# Altium PCB RFFE_Controller.PcbDoc (part 1 of 2)
Units mm, origin at the board's own origin, x right, y up, seen from the top; angles counter-clockwise.
Board outline 87 x 105 mm, 4 copper layers (Top Layer, MidLayer1, MidLayer2, Bottom Layer), stack 1.192 mm thick; 81 components, 80 nets, 362 pads, 1668 vias.
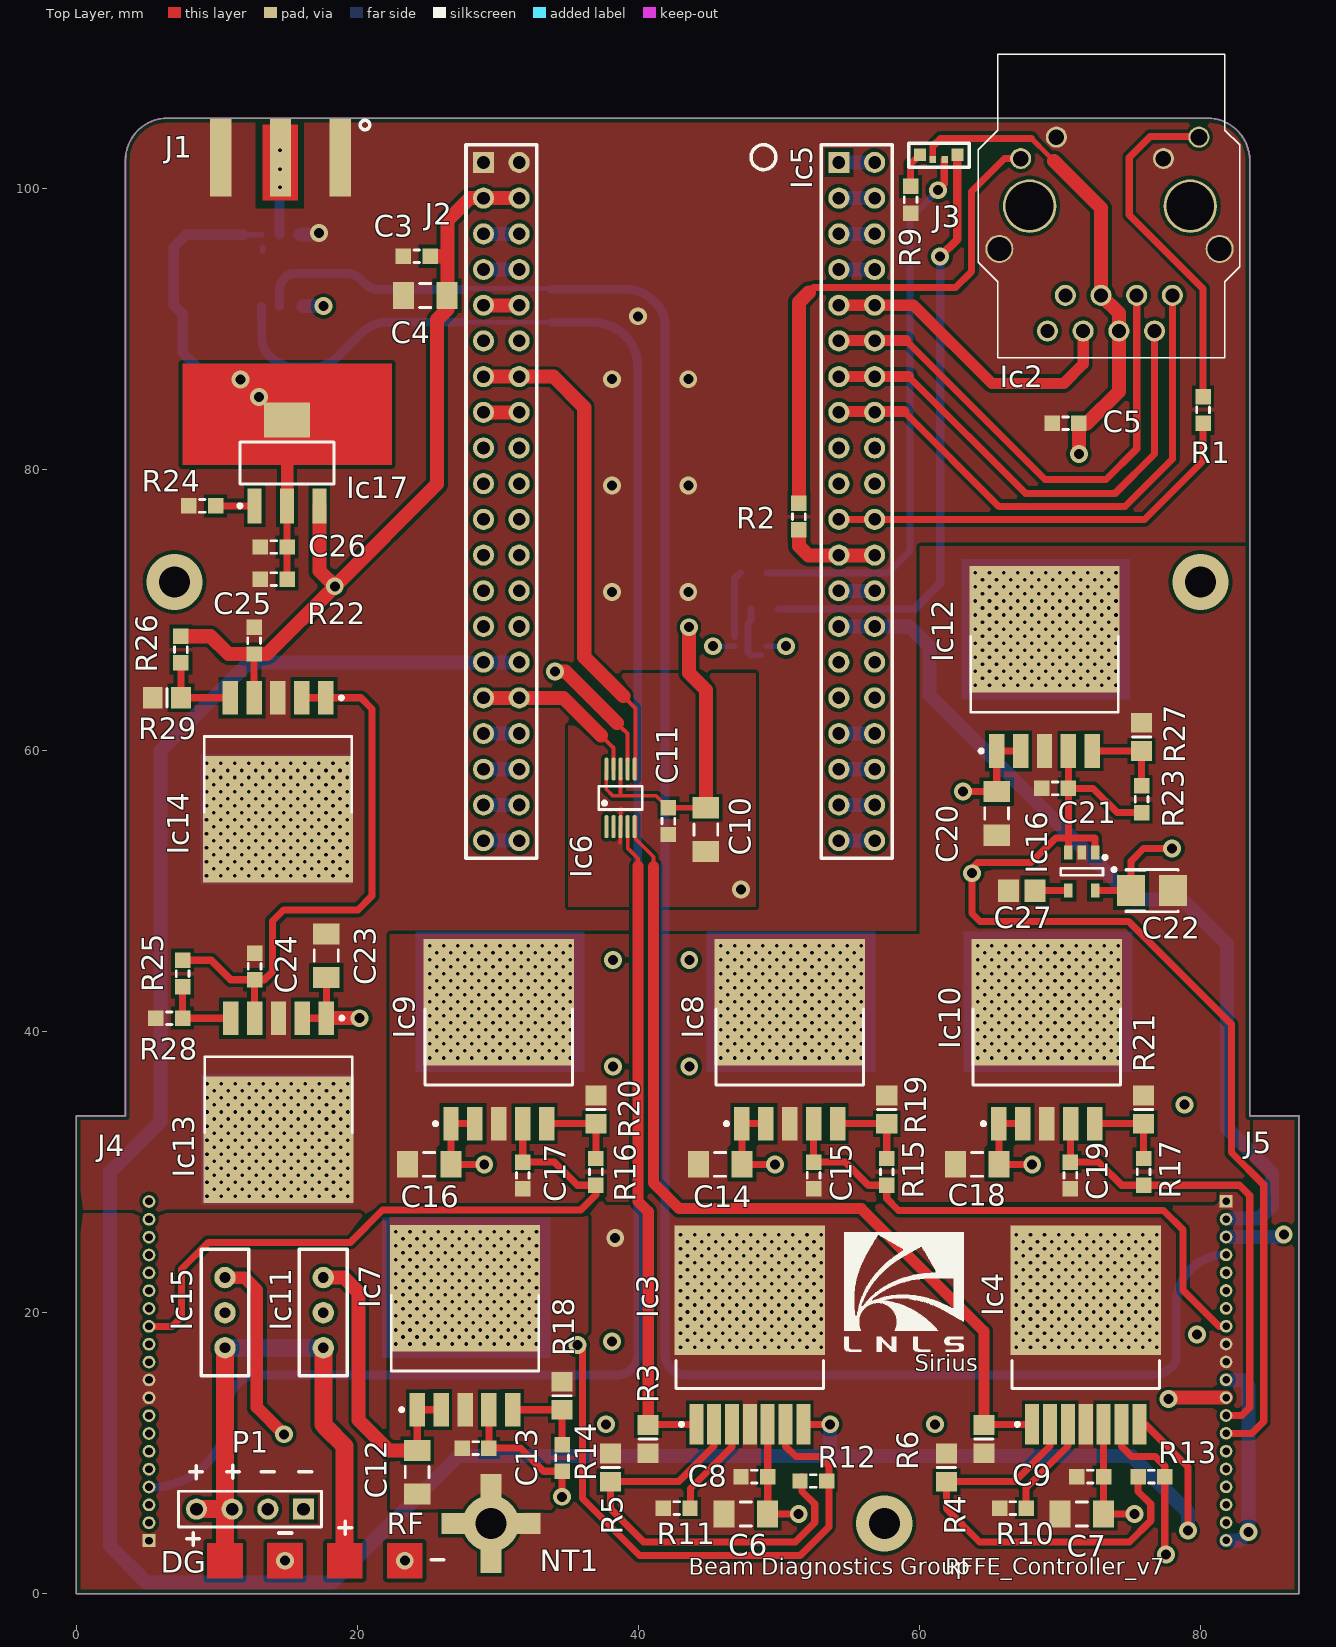
[diagram p0: Top Layer view]
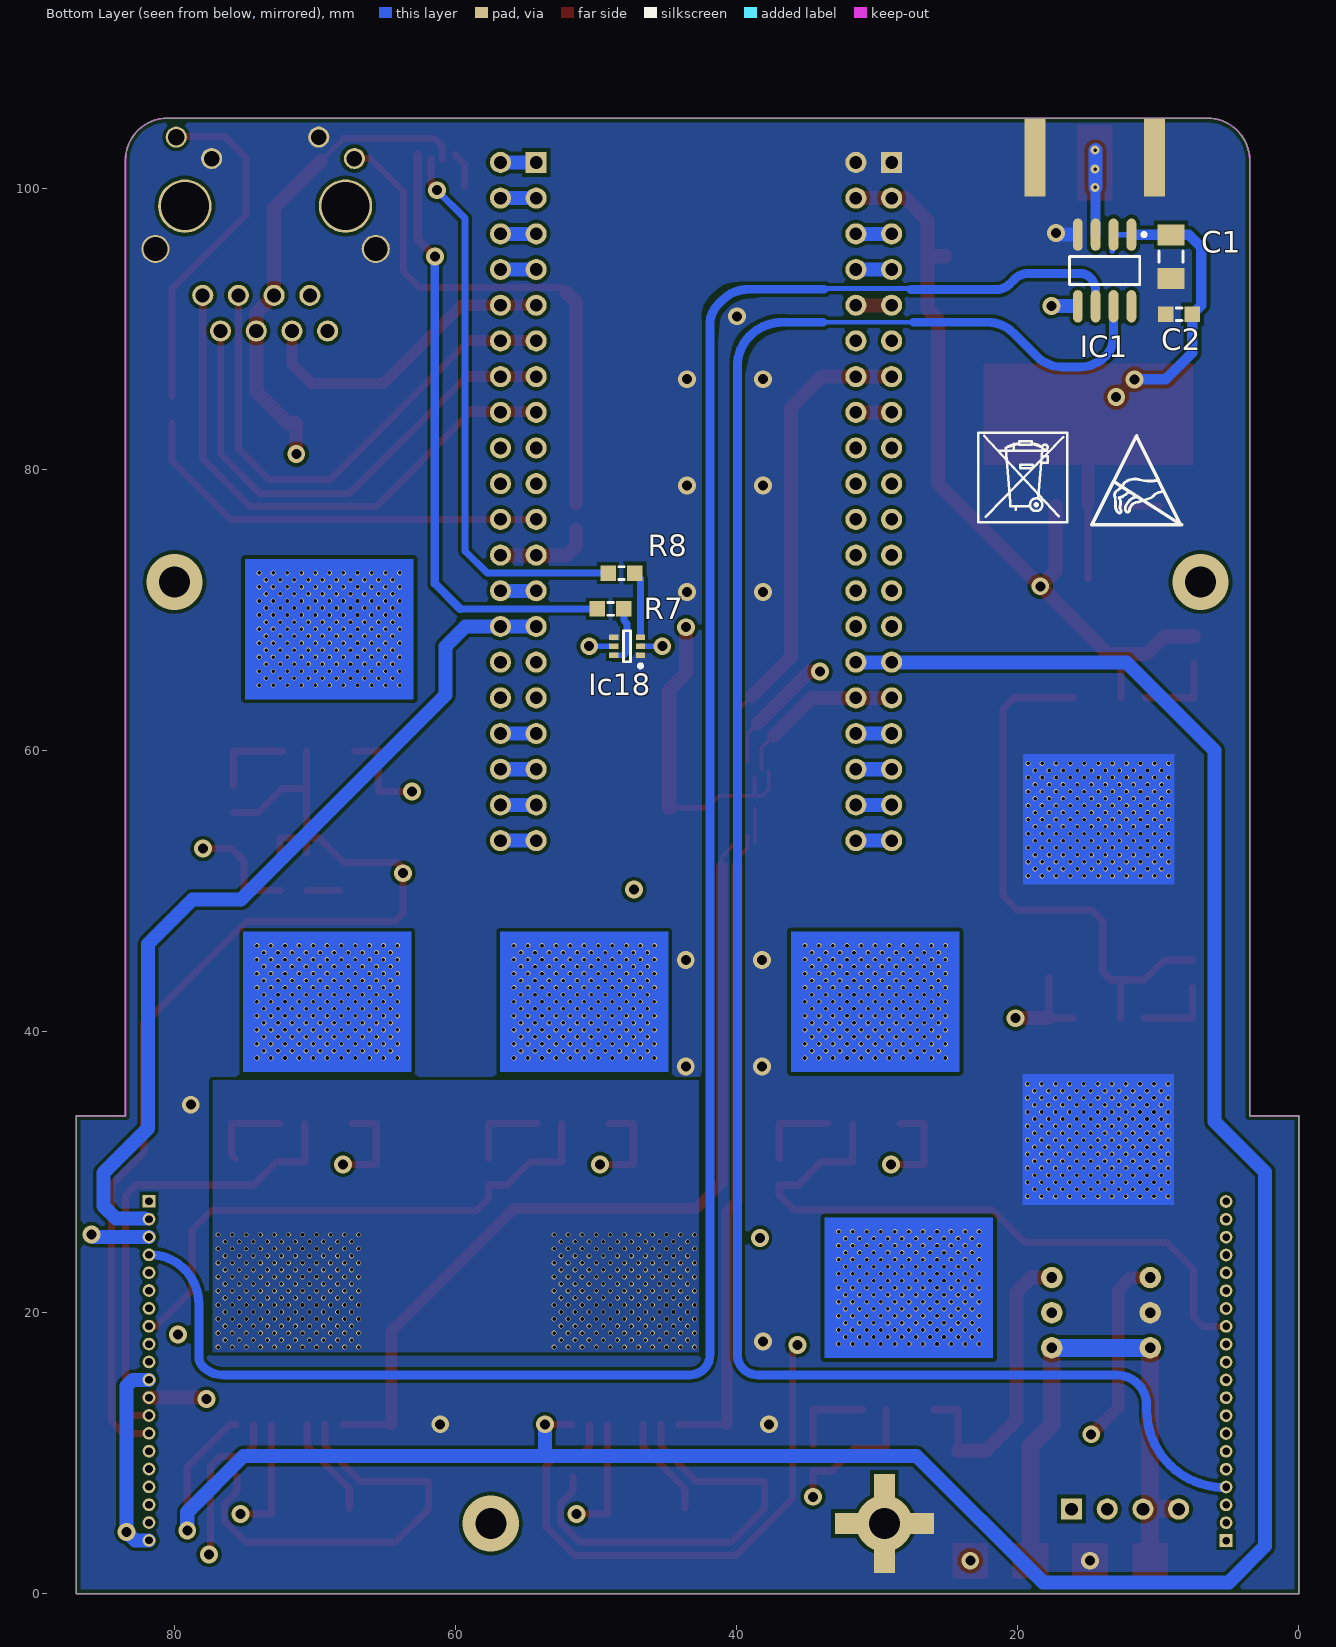
[diagram p1: Bottom Layer view, seen from below]
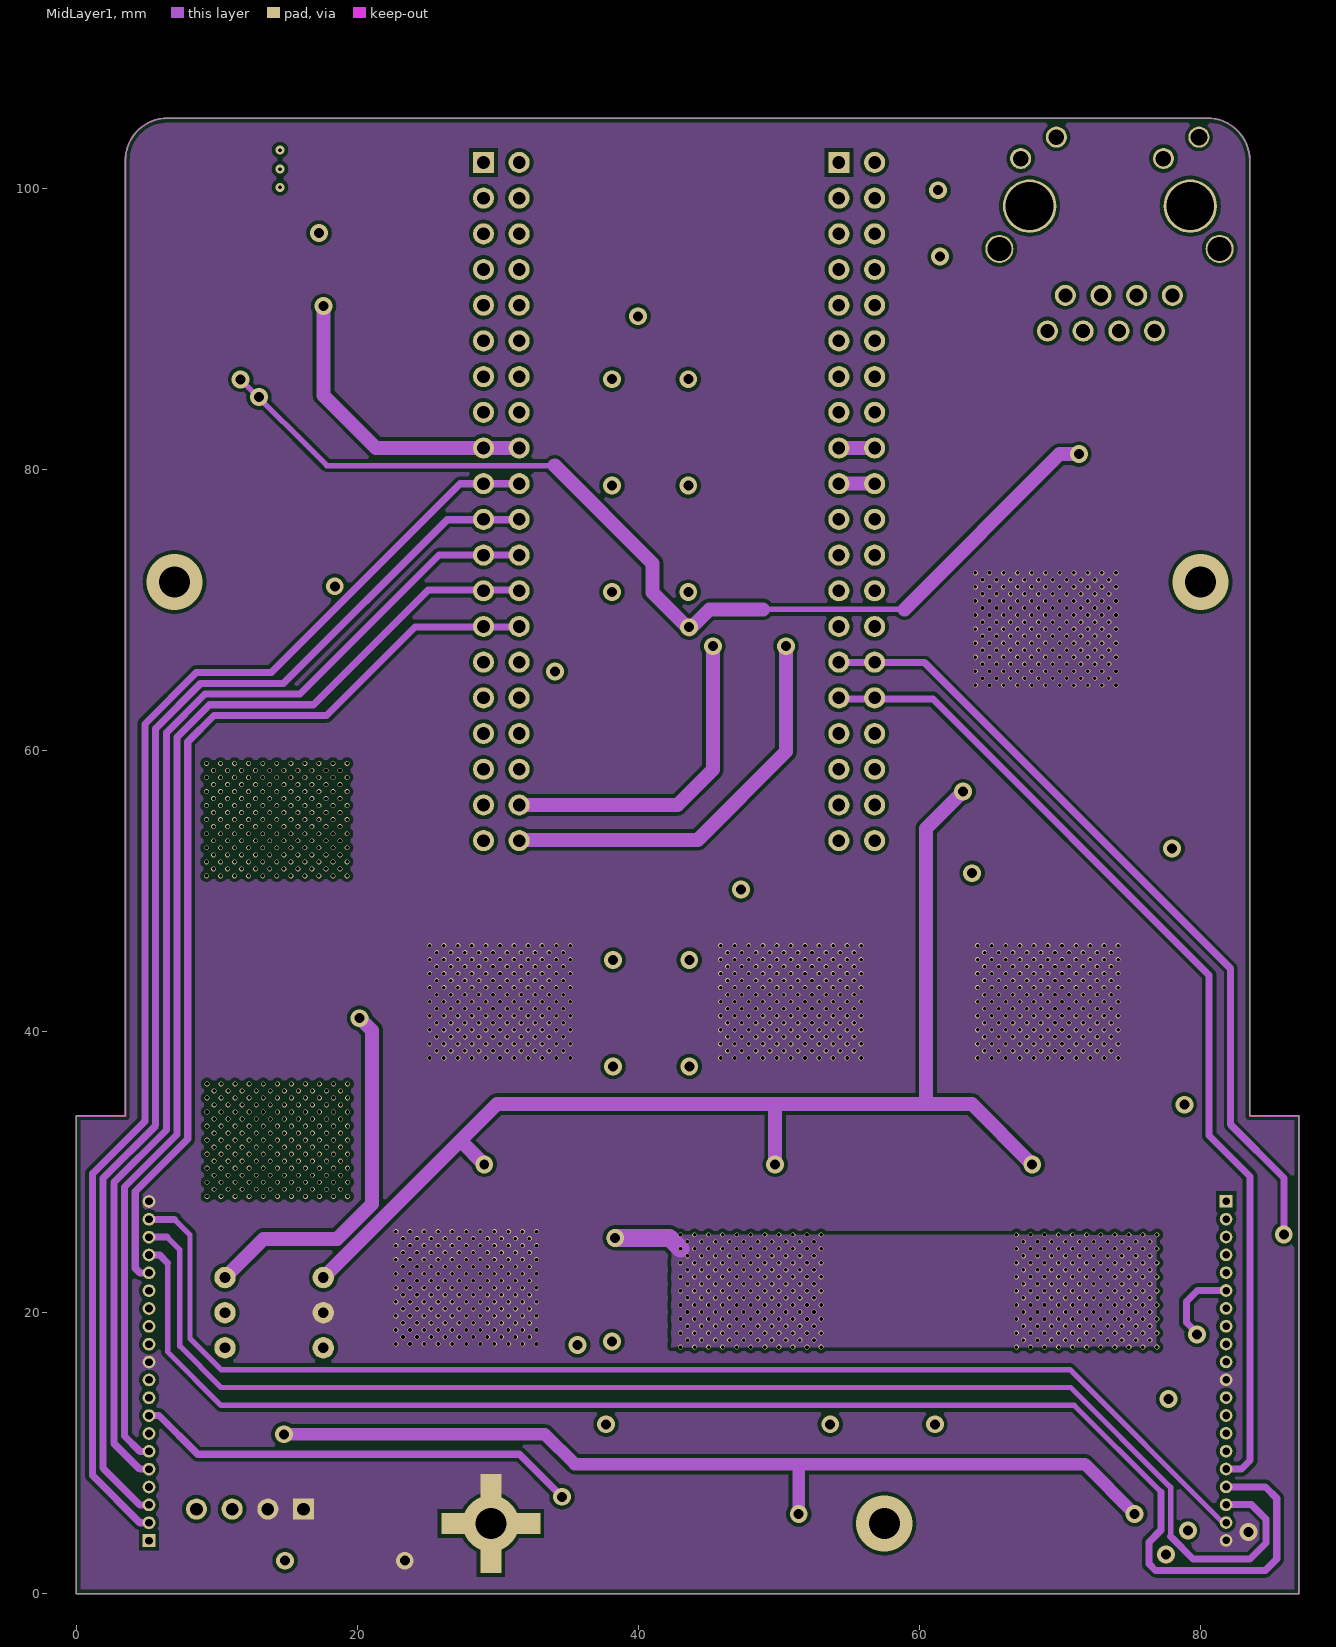
[diagram p2: MidLayer1]
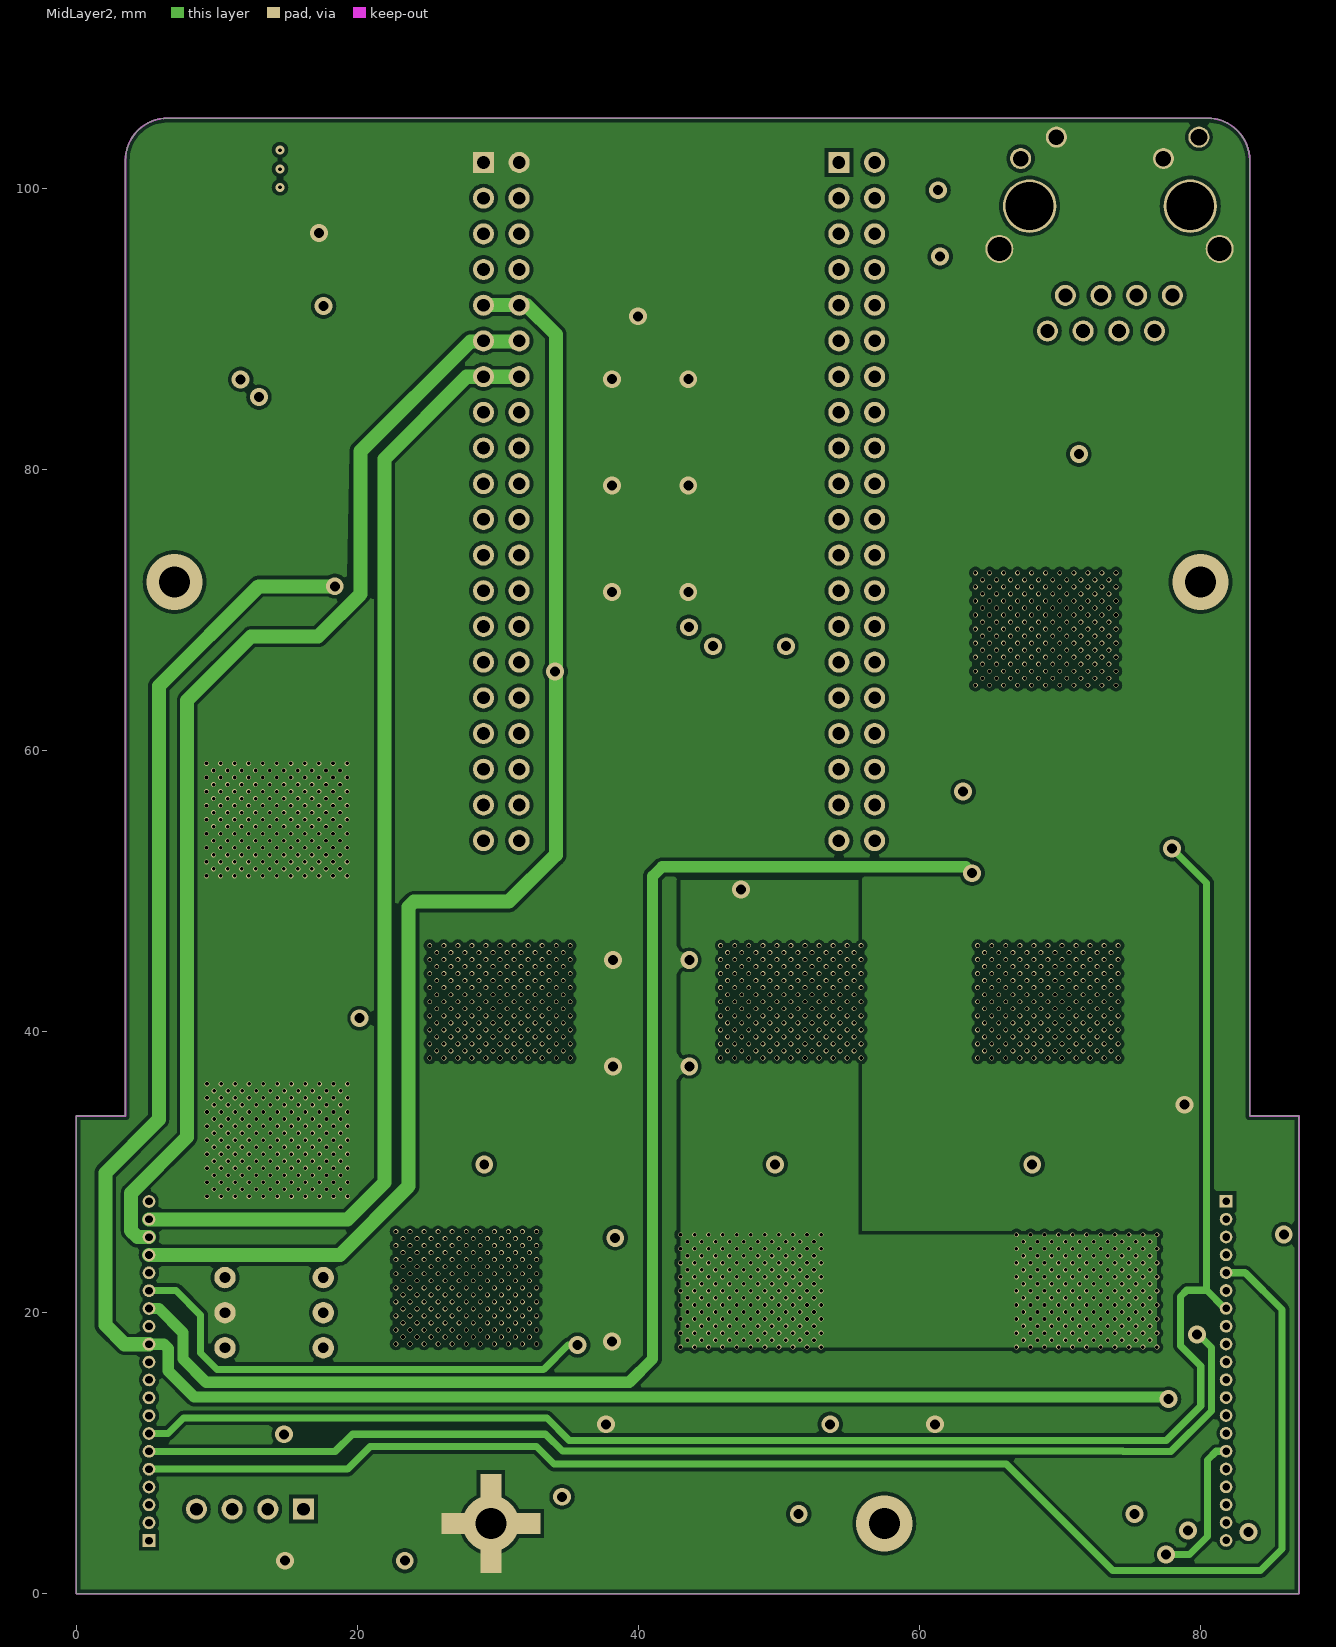
[diagram p3: MidLayer2]

## Layer stack, top to bottom
Top Layer: signal copper 0.0356
Dielectric: core 0.35, FR-4, Dk 4.8
MidLayer1: signal copper 0.0356
Dielectric: prepreg 0.35, FR-4, Dk 4.8
MidLayer2: signal copper 0.0356
Dielectric: core 0.35, FR-4, Dk 4.8
Bottom Layer: signal copper 0.0356

## Board outline
0,0 0,34 3.5,34 3.5,102 cw(c6.5,102) 6.5,105 80.5,105 cw(c80.5,102) 83.5,102 83.5,34 87,34 87,0

## Design rules (kind name [scope] priority, off if disabled: settings)
Clearance Clearance_3 [InComponent('J1') or InComponent('RFFE_v2_AC')] p1: gap=0
Clearance [InComponent('Ic6') or InComponent('Ic18')or InComponent('Ic5')] p2: gap=0.2
Clearance Clearance_1 [All] p3: gap=0.254
HoleSize [All] p1: absolutevalues=TRUE maxlimit=3.81 minlimit=0.025 maxpercent=80.000 minpercent=20.000
MinimumSolderMaskSliver [All] p1: minsoldermaskwidth=0
PlaneConnect [All] p1: planeconnectstyle=Direct reliefexpansion=0.508 reliefentries=4 reliefconductorwidth=0.254 reliefairgap=0.254
PolygonConnect [All] p1: connectstyle=Direct reliefconductorwidth=0.254 reliefentries=4 polygonreliefangle="90 Angle" airgapwidth=0.254
RoutingVias [All] p1: holewidth=0.711 width=1.27 viastyle="Through Hole" minholewidth=0.711 minwidth=1.27 maxholewidth=0.711 maxwidth=1.27
ShortCircuit [All] p1: allowed=TRUE
SilkToSilkClearance [All] p1: silktosilkclearance=0
SilkToSolderMaskClearance [IsPad] p1: minsilkscreentomaskgap=0 clearancetoexposedcopper=TRUE
SolderMaskExpansion [All] p1: expansion=0.03
Width [All] p1: maxlimit=1.27 minlimit=0.203 preferedwidth=0.381
22 further rules are at their usual default settings.

## Components (designator, comment, footprint, x,y, rotation, side; value= is the part's Value field where it differs from the comment)
C1 "TPSA106K010R0900" 1206 9.1,95.15 r270 bottom
C2 "C1608X7R1E104K080AA" 0603 8.525,91.05 r0 bottom
C3 "C1608X7R1E104K080AA" 0603 24.225,95.175 r180 top
C4 "TPSA106K010R0900" 1206 24.825,92.375 r180 top
C5 "C1608X7R1E104K080AA" 0603 70.401,83.291 r180 top
C6 "TPSA106K010R0900" 1206 47.652,5.675 r180 top
C7 "TPSA106K010R0900" 1206 71.555,5.675 r180 top
C8 "C1608X7R1E104K080AA" 0603 48.252,8.342 r180 top
C9 "C1608X7R1E104K080AA" 0603 72.155,8.342 r180 top
C10 "TPSA106K010R0900" 1206 44.804,54.378 r270 top
C11 "C1608X7R1E104K080AA" 0603 42.137,54.978 r270 top
C12 "TPSA106K010R0900" 1206 24.262,8.651 r270 top
C13 "TPSA106K010R0900" 0603 28.418,10.363 r180 top
C14 "TPSA106K010R0900" 1206 45.818,30.556 r180 top
C15 "TPSA106K010R0900" 0603 52.474,29.768 r270 top
C16 "TPSA106K010R0900" 1206 25.117,30.556 r180 top
C17 "TPSA106K010R0900" 0603 31.773,29.768 r270 top
C18 "TPSA106K010R0900" 1206 64.106,30.556 r180 top
C19 "TPSA106K010R0900" 0603 70.74,29.768 r270 top
C20 "TPSA106K010R0900" 1206 65.497,55.525 r270 top
C21 "TPSA106K010R0900" 0603 69.653,57.303 r180 top
C22 "CAP TANT 10UF" TC3528-1411 76.55,50.031 r0 top
C23 "TPSA106K010R0900" 1206 17.792,45.402 r90 top
C24 "TPSA106K010R0900" 0603 12.69,44.64 r90 top
C25 "TPSA106K010R0900" 0603 12.653,67.821 r90 top
C26 "TPSA106K010R0900" 0603 14.05,74.486 r180 top
C27 "CAP CER 10000PF" CAPC2012M 67.279,50.031 r180 top
IC1 "ICS8304AMLFT" 8-SOIC 13.825,94.175 r270 bottom
Ic2 "J0006D21BNL" RJ_45 78,92.395 r270 top locked
Ic3 "OPA548FKTWT" DDPAK 47.929,18.41 r90 top
Ic4 "OPA548FKTWT" DDPAK 71.832,18.41 r90 top
Ic5 "HSMF-C113" LED_3colors 60.05,102.4 r0 top
Ic6 "DAC7554IDGS" 10-MSOP 38.732,56.638 r90 top
Ic7 "IC LDO LO NOISE 3A ADJ DDPAK-5" "DD Pak" 24.266,13.096 r90 top
Ic8 "IC LDO LO NOISE 3A ADJ DDPAK-5" "DD Pak" 47.372,33.451 r90 top
Ic9 "IC LDO LO NOISE 3A ADJ DDPAK-5" "DD Pak" 26.671,33.451 r90 top
Ic10 "IC LDO LO NOISE 3A ADJ DDPAK-5" "DD Pak" 65.66,33.451 r90 top
Ic11 "EMI101T-RC" Radial-3 17.583,20 r90 top
Ic12 "IC LDO LO NOISE 3A ADJ DDPAK-5" "DD Pak" 65.501,59.97 r90 top
Ic13 "IC LDO LO NOISE 3A ADJ DDPAK-5" "DD Pak" 17.792,40.957 r270 top
Ic14 "IC LDO LO NOISE 3A ADJ DDPAK-5" "DD Pak" 17.755,63.757 r270 top
Ic15 "EMI101T-RC" Radial-3 10.583,20 r90 top
Ic16 "TPS73030DBVT" DBV005 72.503,52.731 r270 top
Ic17 "LT3080" SOT-223 15,80.438 r90 top
Ic18 "PMGD280UN,115" SOT_363 47.8,67.425 r0 bottom
J1 "CONN SMA" SMAedge50R 18.775,102.175 r180 top
J2 "Header 20x2" 2-534998-0 28.98,101.85 r0 top locked
J3 "Header 20x2" 2-534998-0 54.27,101.85 r0 top locked
J4 "TFM-120-01-S-D-RA" TFM-120-01-L-D 4.7,15.856 r90 top locked
J5 "TFM-120-01-S-D-RA" TFM-120-01-L-D 82.3,15.856 r270 top locked
NT1 "GroundConnectVia" GROUNDCONNECT 29.5,5 r270 top net-tie
P1 "Header 4" HDR1X4 16.175,6.025 r180 top
R1 "ERJ-3GEYJ221V" 0603 80.183,84.241 r90 top
R2 "ERJ-3GEYJ221V" 0603 51.425,76.65 r90 top
R3 "RES 10.0K" RESC2012M 40.685,11.009 r270 top
R4 "RES 10.0K" RESC2012M 64.588,11.009 r270 top
R5 "RES 10.0K" RESC2012M 38.018,8.977 r90 top
R6 "RES 10.0K" RESC2012M 61.921,8.977 r90 top
R7 "ERJ-3GEYJ221V" 0603 48.975,70.075 r180 bottom
R8 "ERJ-3GEYJ221V" 0603 48.2,72.625 r180 bottom
R9 "ERJ-3GEYJ221V" 0603 59.375,99.2 r270 top
R10 "ERJ-3GEYJ473V" 0603 66.65,6.1 r180 top
R11 "ERJ-3GEYJ473V" 0603 42.725,6.1 r180 top
R12 "20k" 0603 52.45,8.025 r180 top
R13 "20k" 0603 76.506,8.342 r180 top
R14 "ERJ-3GEYJ472V" 0603 34.569,9.667 r90 top
R15 "ERJ-3GEYJ472V" 0603 57.675,30.022 r90 top
R16 "ERJ-3GEYJ472V" 0603 36.974,30.022 r90 top
R17 "ERJ-3GEYJ472V" 0603 75.947,30.022 r90 top
R18 "RES 1.5K" RESC2012M 34.569,14.096 r90 top
R19 "RES 1.5K" RESC2012M 57.675,34.451 r90 top
R20 "RES 1.5K" RESC2012M 36.974,34.451 r90 top
R21 "RES 1.5K" RESC2012M 75.947,34.451 r90 top
R22 "ERJ-3EKF1001V" 0603 14.05,72.2 r180 top
R23 "ERJ-3GEYJ472V" 0603 75.804,56.541 r90 top
R24 "ERJ-3GEYJ334V" 0603 8.97,77.413 r180 top
R25 "ERJ-3GEYJ472V" 0603 7.566,44.132 r270 top
R26 "ERJ-3GEYJ472V" 0603 7.452,67.186 r270 top
R27 "RES 1.5K" RESC2012M 75.804,60.97 r90 top
R28 "ERJ-3EKF1001V" 0603 6.616,40.957 r0 top
R29 "RES 1.5K" RESC2012M 6.452,63.757 r180 top
